# KiCad board Lime_RFE.kicad_pcb (continued)
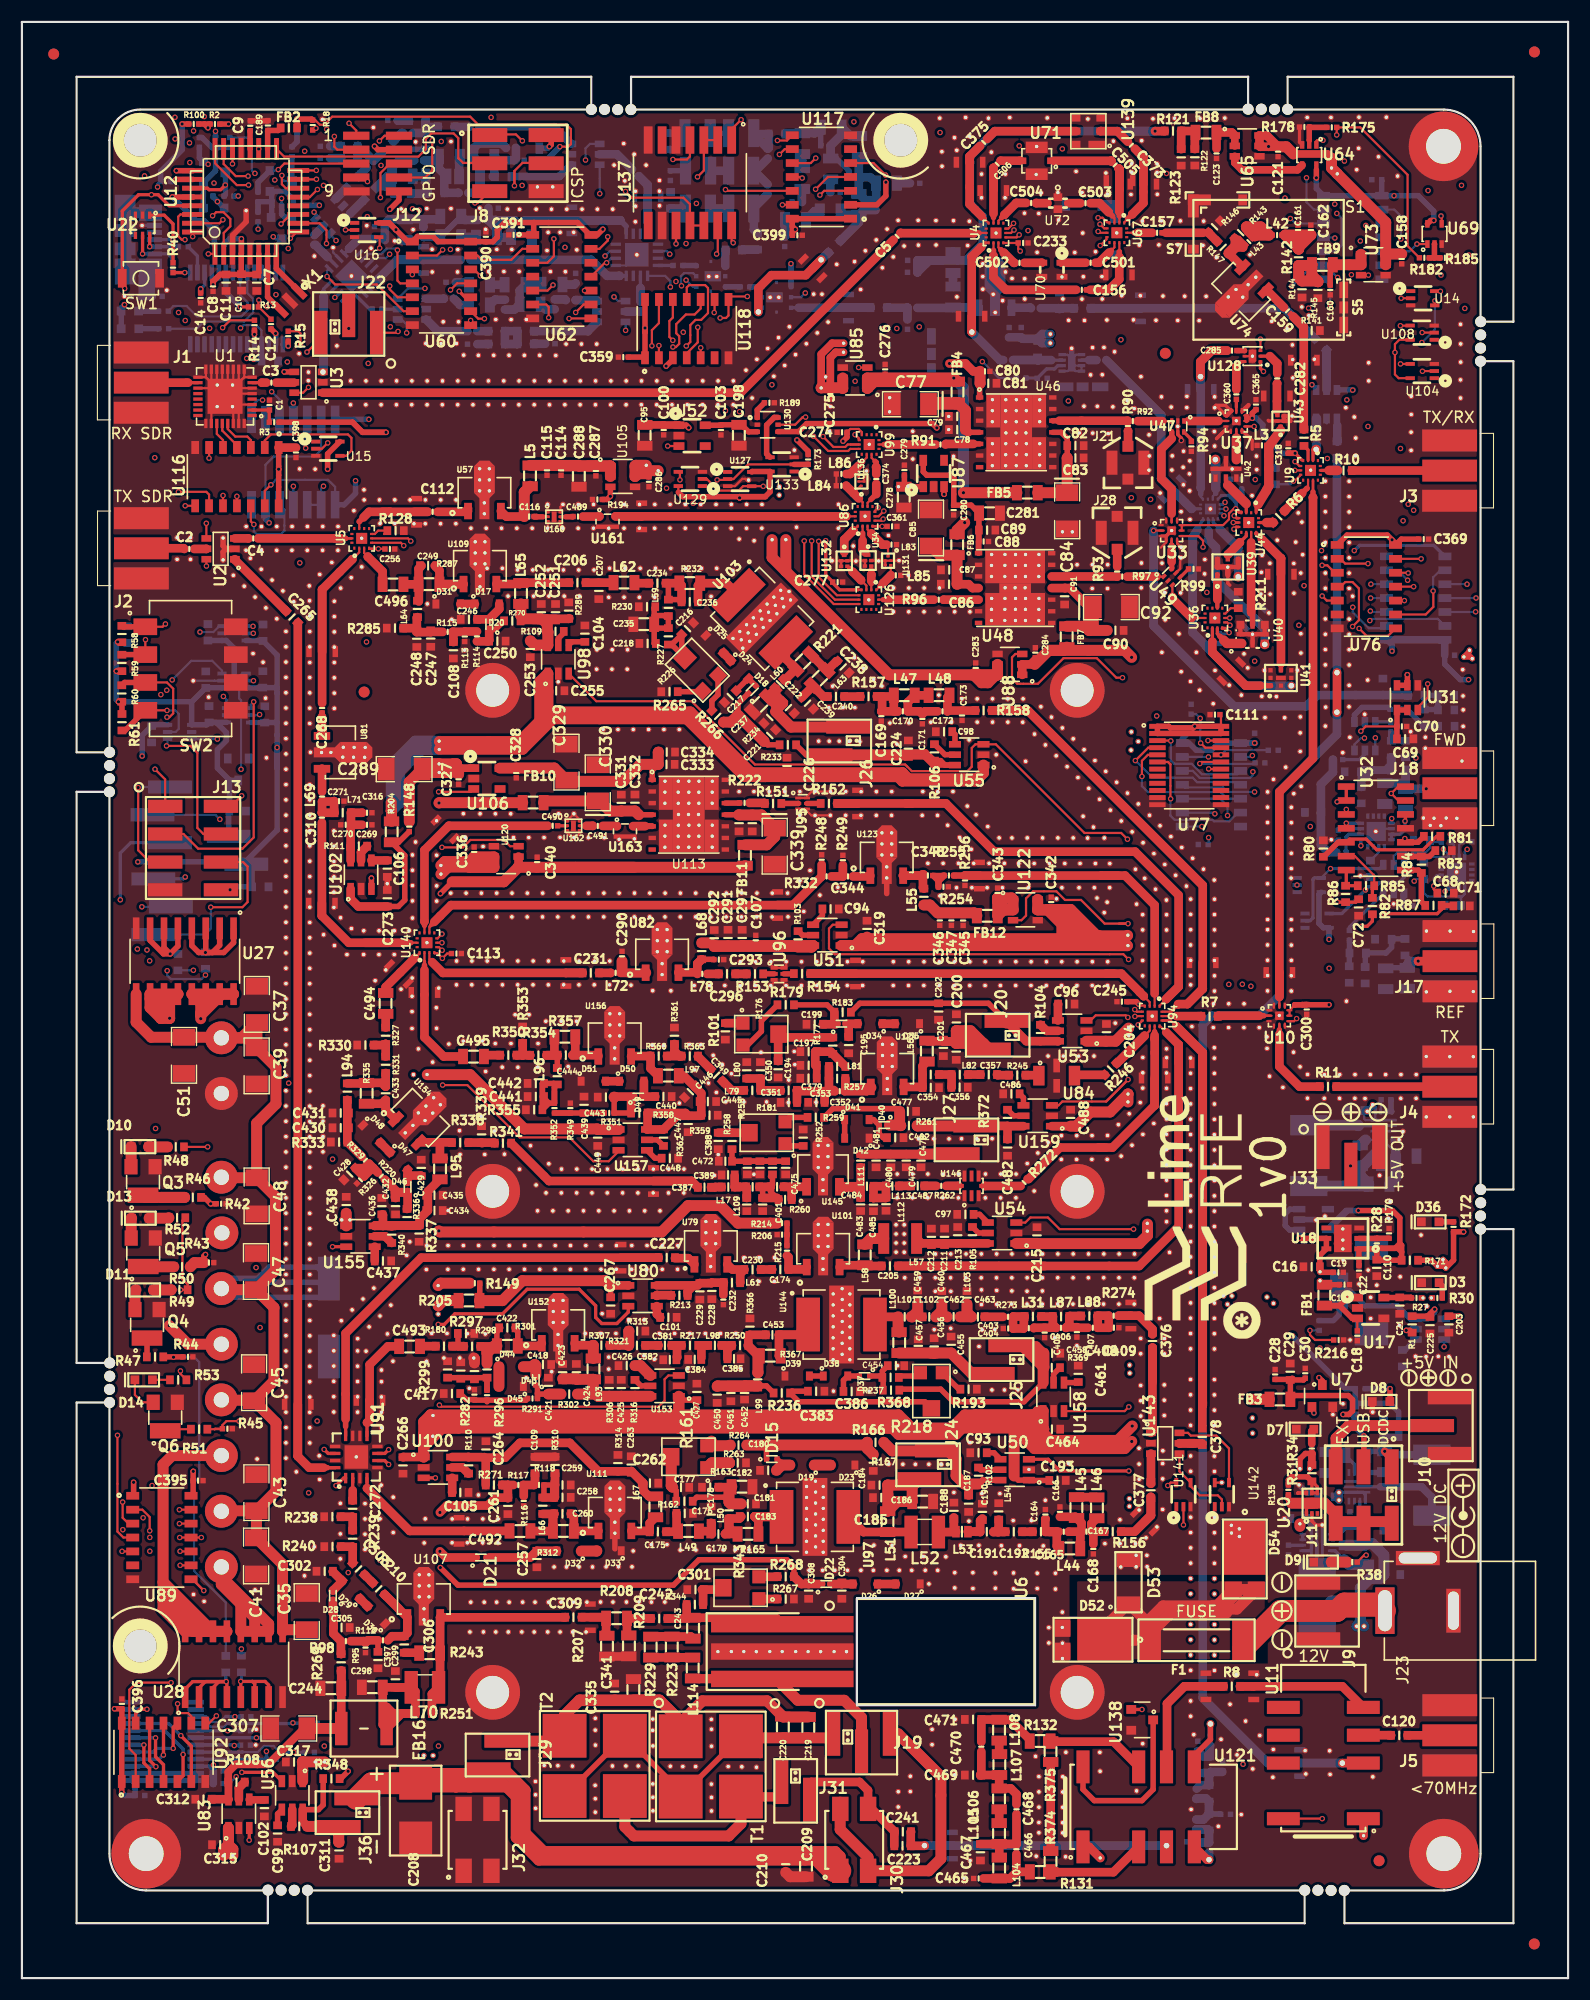
[diagram p0: board, top side]
## Routing (per net, layer and track width the routed paths; a pad name or vN(x,y) marks a point on that pad's centre or on a via; arc(x,y) is an arc through that point) (continued)
/Cell/BAND38_TX: length 1.3
  T w0.2: U37.11 U37.11 ; 110.82,143.03 110.82,143.36
  T w0.3: 110.82,143.36 C360.2
/Cell/BAND38_TXRX: length 3
  T w0.3: 114.53,143.07 114.53,142.64 114.58,142.6 ; 114.58,143.87 114.53,143.92
  T w0.79: C282.1 114.53,145.5 114.53,143.07
/Cell/CELL_PREDRIVER/OUT: length 3.6
  T w0.2: 47.97,133.37 47.99,133.35 46.77,133.35 C116.2 47.97,133.37
  T w0.5: 47.01,133.35 46.99,133.37 C116.2 46.77,133.35 47.54,133.35
/Cell/LNA/IN: length 20.4
  B w0.1: 103.97,136.92 104.94,135.94 P57.2
  B w0.3: 107.54,134.08 106.75,134.08
  B w0.79: 103.97,136.85 103.97,142.64 C73.1 ; 103.97,136.85 104.94,135.87 P57.2 ; 103.97,136.85 106.74,134.08 106.75,134.08
/Cell/LNA_PD_2V5: length 39.9
  T w0.2: U118.10 61.94,152.36 61.39,151.81 60.59,151.81 59.71,150.94 59.71,150.1 59.98,149.83 59.98,149.14 59.69,148.84 v1(59.41,148.84)
  SIG2 w0.2: v1(59.41,148.84) 60.08,148.17 63.28,148.17 63.6,148.49 66.97,148.49 67.58,147.88 69.13,147.88 70.02,148.77 70.88,148.77 71.95,147.7 75.22,147.7 75.4,147.88 85.21,147.88 85.58,147.51 v1(87.64,147.51)
  B w0.2: v1(87.64,147.51) 89.14,146.01 R89.1
/Cell/PA1_CPL: length 9.7
  T w0.2: U47.4 104.92,141.08 104.92,140.48 ; U33.11 U33.11 ; 104.92,133.02 104.92,133.64
  T w0.5: 104.92,140.48 104.93,140.49 U47.4
  T w0.79: 104.93,140.49 103.97,139.54 103.97,136.82 104.92,135.88 104.92,133.64
/Cell/PA1_EN_2V5: length 28.8
  T w0.2: v1(76.35,146.97) 76.36,146.97 U85.3 ; 59.4,147.69 59.4,147.69 U118.3 ; U52.3 v1(58.93,139.81)
  T w0.5: v1(58.79,147.1) 59.4,147.71 U118.3
  SIG1 w0.2: v1(58.79,147.1) 58.75,147.07 58.75,139.98 v1(58.93,139.81)
  SIG2 w0.2: v1(58.79,147.1) 59.27,146.62 65.15,146.62 65.73,146.05 66.64,146.05 67.26,146.66 69.91,146.66 70.22,146.97 v1(76.35,146.97)
/Cell/PA2_CPL: length 3.4
  T w0.2: 104.92,129.24 U49.6 ; U33.5 U33.5 ; 104.92,131.16 104.92,130.76
  T w0.5: 104.92,130.76 104.91,130.76 104.92,130.75 104.92,130.31 ; U49.6 104.92,129.24
  T w0.79: 104.92,129.24 104.92,130.31
/Cell/PA2_EN_2V5: length 106.8
  T w0.2: v1(61.67,150.64) 61.67,149.27 60.67,148.27 U118.4 ; v1(100.43,118.67) 99.87,118.67 98.09,120.45 95.05,120.45 92.72,118.12 90.83,118.12 90.35,118.59 90.35,120.53 90.65,120.83 U88.3
  T w0.5: v1(84.16,135.4) 84.15,135.41 U87.3
  SIG1 w0.2: v1(100.29,149.51) 100.32,149.48 100.32,118.79 v1(100.43,118.67) ; v1(81.89,150.69) 82.62,149.96 82.62,140.72 84.16,139.18 v1(84.16,135.4)
  SIG2 w0.2: v1(100.29,149.51) 95.07,149.51 93.96,150.63 87.54,150.63 87.04,151.13 82.33,151.13 v1(81.89,150.69) 81.45,151.13 77.71,151.13 77.24,151.6 70.3,151.6 70.3,151.6 70.3,151.6 70.29,151.6 68.72,150.03 65.39,150.03 64.78,150.64 v1(61.67,150.64)
/Cell/PA_1_2_3/IN: length 5
  T w0.2: U126.13 78.61,125.79
  T w0.5: 78.61,125.79 79.15,125.79
  T w0.79: R96.2 79.16,125.78 79.15,125.79
/Cell/PA_1_2_3/OUT: length 7.4
  T w0.2: 104.99,125.87 106.74,124.12 107.91,124.12 ; U49.3 104.99,126.05
  T w0.79: 106.74,124.12 104.99,125.87 104.99,126.05
/Cell/PA_1_2_3/VREF: length 16.7
  T w0.2: C88.1 87.3,131.09 87.3,130.24
  T w0.5: 87.36,132.47 87.3,132.4 U48.1 87.3,131.09 87.33,131.12 C89.1 87.33,133.67 ; 87.33,133.67 C281.1 ; 87.33,133.67 C281.1 ; C281.1 87.01,134.02 ; C281.1 86.62,134.41 C280.1 85.04,134.42 85.04,136.95 84.84,137.14 82.57,137.14 82.25,137.47 U87.5
/Cell/PA_7_38/IN: length 5.1
  T w0.2: 78.67,139.95 78.27,139.95
  T w0.5: 78.67,139.95 79.05,139.95
  T w0.79: R91.2 79.05,139.95
/Cell/PA_7_38/OUT: length 4.3
  T w0.2: 109.89,142.1 109.89,142.09 109.19,142.09 ; 106.25,142.09 U47.1 106.48,142.09 ; U37.2 U37.2
  T w0.79: 106.48,142.09 109.19,142.09
/Cell/PA_7_38/VREF: length 26.8
  T w0.5: C81.1 87.39,145.49 U46.1 ; v1(83.49,141.46) 83.1,141.85 71.61,141.85 70.88,141.12 68.98,141.12
  T w0.79: v1(84.64,147.34) 86.1,147.34 86.82,146.62 C80.1
  T w1: C81.1 87.44,145.54 C80.1
  SIG1 w0.79: v1(83.49,141.46) 83.49,146.19 v1(84.64,147.34)
/Cell/PRED_EN_2V5: length 24.9
  T w0.2: v1(61.94,148.78) 61.94,148.78 U118.5 ; v1(53.7,135.22) 53.7,135.23 53.7,135.24
  T w0.5: U105.3 53.7,135.24 53.4,134.93 R194.2
  SIG1 w0.2: v1(61.26,134.58) 61.47,134.79 61.47,146.3 61.94,146.78 v1(61.94,148.78)
  SIG2 w0.2: v1(53.7,135.22) 53.72,135.2 60.64,135.2 v1(61.26,134.58)
/Cell/RX: length 14.9
  T w0.2: 87.53,157.95 87.94,158.35 U4.1
  T w0.3: 87.94,158.35 87.54,157.95 87.53,157.95
  T w0.79: 87.53,157.95 87.53,157.95 86.67,157.09 86.67,157.09 86.67,150.21 ; TRANS_VIA#7.1 86.67,150.23 P56.2
  B w0.79: C76.2 89.24,147.66 TRANS_VIA#7.1
/Cell/SW1_V1_2V5: length 24.5
  T w0.2: v1(126.16,125.7) U76.10
  T w0.25: 111,132.43 110.8,132.43 v1(110.6,132.23)
  SIG1 w0.2: v1(126.16,125.7) 125.86,126 125.86,128.43 126.04,128.61 v1(126.04,132.99)
  SIG2 w0.2: v1(126.04,132.99) 118.62,132.99 117.85,132.23 v1(110.6,132.23)
/Cell/SW1_V2_2V5: length 26.7
  T w0.2: v1(127,126.97) U76.11
  T w0.25: 111,132.83 v1(110.54,132.83)
  SIG1 w0.2: v1(127,133.94) v1(127,126.97)
  SIG2 w0.2: v1(127,133.94) 125.86,133.94 125.45,134.36 112.54,134.36 111.01,132.83 v1(110.54,132.83)
  B w0.2: 110.89,132.84 110.58,132.84
/Cell/SW1_V3_2V5: length 24.3
  T w0.2: v1(126.5,128.22) 126.48,128.24 U76.12
  T w0.25: 111,133.23 110.85,133.23 v1(110.63,133.45)
  SIG1 w0.2: v1(126.5,134.49) v1(126.5,128.22)
  SIG2 w0.2: v1(126.5,134.49) 126.34,134.66 112.28,134.66 111.07,133.45 v1(110.63,133.45)
/Cell/SW2_CTRL_2V5: length 39.8
  T w0.2: 111.75,141.6 v1(112.45,141.6) ; 122.83,129.08 v1(122.84,129.08) 120.76,129.08 120.32,129.51 U76.2 ; U37.7 U37.7
  SIG1 w0.2: v1(123,123.88) 123.59,124.46 123.59,127.89 122.84,128.65 v1(122.84,129.08) v1(122.84,141.59)
  SIG2 w0.2: v1(112.45,141.6) 112.45,141.59 v1(122.84,141.59)
  B w0.2: v1(123,123.88) 123.16,124.04 129.21,124.04 U119.13
/Cell/SW3_V2_2V5: length 18
  T w0.2: 109.82,124.12 v1(110.22,124.12) ; v1(121.43,123.34) 122.01,123.92 122.01,126.81 121.42,127.4 120.76,127.4 120.34,126.97 U76.4
  SIG2 w0.2: v1(121.43,123.34) 117.99,123.34 117.21,124.12 v1(110.22,124.12)
/Cell/SW3_V3_2V5: length 12.6
  T w0.2: v1(110.24,123.46) 109.98,123.72 109.82,123.72 ; v1(118.66,126.12) 119.07,125.7 U76.5
  SIG1 w0.2: v1(118.66,126.12) 117.5,126.12 116.53,125.15 v1(116.53,123.45)
  SIG2 w0.2: v1(116.53,123.45) 116.53,123.46 v1(110.24,123.46)
/Cell/SW4_V1_2V5: length 30.3
  T w0.2: v1(131.87,127.2) 131.87,127.2
  SIG2 w0.2: v1(131.87,127.2) 131.87,131.3 131.43,131.74 110.22,131.74 109.69,132.27 v1(109.69,133.45)
  B w0.2: 109.73,133.46 109.51,133.68 109.44,133.68 ; v1(131.87,127.2) 131.87,127.2 U119.10
/Cell/SW4_V2_2V5: length 37.5
  T w0.2: 109.87,134.08 v1(109.87,134.07) ; v1(132.66,124.68) 132.64,124.66
  SIG2 w0.2: v1(132.66,124.68) 132.11,125.23 132.11,126.2 132.33,126.42 132.33,135.01 131.54,135.8 111.6,135.8 109.87,134.07 v1(109.87,134.07)
  B w0.2: 109.44,134.08 109.91,134.08 ; v1(132.66,124.68) 132.64,124.66 U119.12
/Cell/SW4_V3_2V5: length 36.9
  T w0.2: v1(109.79,134.68) 109.79,134.68
  SIG2 w0.2: v1(132.7,125.94) 132.7,135.13 131.73,136.1 111.21,136.1 v1(109.79,134.68)
  B w0.2: 109.44,134.48 109.59,134.48 v1(109.79,134.68) 109.58,134.47 U35.5 ; v1(132.7,125.94) 132.69,125.93 U119.11
/Cell/SW5_V1_2V5: length 93.5
  T w0.2: v1(78.13,134.18) 77.84,133.89 U86.7 ; v1(57.49,148.95) 57.49,150.38 58.13,151.03 U118.13
  SIG1 w0.2: v1(76.03,145.72) 78.13,143.62 v1(78.13,134.18)
  SIG2 w0.2: v1(121.45,125.1) 121.43,125.11 114.57,125.11 114.28,125.4 96.77,125.4 94.27,127.9 94.27,129.5 92.79,130.98 82.84,130.98 79.45,134.38 78.33,134.38 v1(78.13,134.18) ; v1(57.49,148.95) 57.24,148.7 57.24,145.63 57.65,145.22 67.42,145.22 67.85,144.79 70.03,144.79 71.3,146.06 72.71,146.06 73.26,145.51 75.83,145.51 v1(76.03,145.72)
  B w0.2: 124.31,123.17 U119.2 124.32,123.18 122.91,123.18 121.45,124.64 v1(121.45,125.1)
/Cell/SW5_V2_2V5: length 42.4
  T w0.2: v1(78.65,133.87) 78.17,133.39 U86.6 ; v1(59.4,149.45) 59.08,149.77 59.08,151.22 59.4,151.53 U118.12
  SIG1 w0.2: v1(78.66,150.55) 78.65,150.55 v1(78.65,133.87)
  SIG2 w0.2: v1(78.66,150.55) 73.21,150.55 72.93,150.83 70.93,150.83 69.26,149.16 68.48,149.16 68.19,149.45 65.15,149.45 64.45,150.15 61.76,150.15 61.06,149.45 v1(59.4,149.45)
/Cell/SW5_V3_2V5: length 49.7
  T w0.2: v1(78.6,133.15) 78.44,132.99 U86.5 ; v1(60.63,148.94) 60.99,149.3 60.99,150.85 61.47,151.32 61.98,151.32 62.61,151.94 62.61,154.23 62.34,154.49 60.88,154.49 60.67,154.28 U118.11
  SIG1 w0.2: v1(79.83,150.54) 79.83,142.84 79.14,142.14 79.14,133.69 v1(78.6,133.15)
  SIG2 w0.2: v1(60.63,148.94) 61.18,148.94 62.01,149.77 64.25,149.77 65.08,148.94 67.11,148.94 67.82,148.23 68.87,148.23 70.29,149.65 72.12,149.65 72.34,149.44 72.8,149.44 73.36,150 79.3,150 v1(79.83,150.54)
/Cell/SW6_V1_2V5: length 83.7
  T w0.2: v1(71.39,131.15) 71.39,128.08 74.08,125.39 U126.7 ; v1(72.24,140.69) 73.57,139.36 75.4,139.36 75.59,139.55 76.36,139.55
  SIG1 w0.2: v1(72.24,140.69) 71.39,139.84 v1(71.39,131.15)
  SIG2 w0.2: v1(123.1,127.2) 122.65,127.2 122.21,127.65 112.1,127.65 111.5,127.05 104.15,127.05 103.28,127.92 95.97,127.92 95.31,128.57 95.31,129.6 93.14,131.77 83.23,131.77 79.92,135.09 75.96,135.09 74.49,133.62 72.54,133.62 71.39,132.46 v1(71.39,131.15)
  B w0.2: U119.5 v1(123.1,127.2)
/Cell/SW6_V2_2V5: length 82.5
  T w0.2: v1(72.07,131.15) 72.07,127.91 74.19,125.79 U126.6 ; 75.64,139.95 75.64,139.95 76.36,139.95 75.36,139.95 75.13,139.72 74.05,139.72 v1(73.1,140.67)
  SIG1 w0.2: v1(73.1,140.67) 72.07,139.64 v1(72.07,131.15)
  SIG2 w0.2: v1(123.08,125.93) 122.75,125.6 114.73,125.6 114.62,125.72 96.94,125.72 94.83,127.83 94.83,129.51 93,131.33 93,131.37 83.05,131.37 79.7,134.72 76.17,134.72 74.61,133.15 72.68,133.15 72.07,132.55 v1(72.07,131.15)
  B w0.2: U119.4 v1(123.08,125.93)
/Cell/SW6_V3_2V5: length 76.7
  T w0.2: v1(72.71,131.11) 72.71,127.85 74.37,126.19 U126.5 ; v1(76.03,140.85) 76.36,140.51 76.36,140.35 ; v1(123.05,124.75) 123.05,124.75
  SIG1 w0.2: v1(76.03,140.85) 74.64,140.85 72.71,138.92 v1(72.71,131.11)
  SIG2 w0.2: v1(123.05,124.75) 122.91,124.61 117.85,124.61 117.71,124.75 114.28,124.75 114,125.03 96.49,125.03 96.13,125.4 79.84,125.4 78.65,126.59 74.02,126.59 72.71,127.9 v1(72.71,131.11)
  B w0.2: v1(123.05,124.75) 123.14,124.66 U119.3
/Cell/SW_CPL_CTRL_2V5: length 16.2
  T w0.2: v1(118.65,128.93) 119.13,128.93 119.81,128.24 U76.3 ; v1(107.78,130.58) 107.78,131.17 107.36,131.59 105.85,131.59 ; U33.7 U33.7
  SIG2 w0.2: v1(118.65,128.93) 116.91,128.93 115.25,130.58 v1(107.78,130.58)
/Cell/TDD_SW_V1: length 65.4
  T w0.2: U129.2 62.5,136.8 63.57,135.74 65.4,135.74 65.81,136.14 U127.4 67.64,136.14 v1(67.65,136.13)
  T w0.3: v1(113.3,146.61) 113.02,146.89 U128.1
  SIG1 w0.2: v1(67.65,136.13) 68.44,136.92 v1(68.44,145.4)
  SIG2 w0.2: v1(68.44,145.4) 69.54,145.4 v1(68.44,145.4) ; v1(68.44,145.4) 69.65,145.4 70.82,146.57 73.73,146.57 74.05,146.25 76.3,146.25 77.05,145.5 85.34,145.5 86.16,146.32 89.79,146.32 90.28,146.81 108.76,146.81 108.95,146.61 v1(113.3,146.61)
/Cell/TDD_SW_V2: length 71.9
  T w0.2: v1(60.05,136.72) 60.05,137.31 U129.4 ; U128.3 v1(113.02,149.56)
  SIG1 w0.2: v1(60.05,136.72) 60.06,136.73 60.06,149.91 v1(60.35,150.2)
  SIG2 w0.2: 61.37,151.21 v1(60.35,150.2) 61.37,151.21 ; 61.37,151.21 62.13,151.21 62.13,151.19 62.35,150.97 65.05,150.97 65.61,150.41 68.52,150.41 70.06,151.95 77.59,151.95 78.04,151.5 87.4,151.5 87.95,150.95 94.28,150.95 95.19,150.03 112.55,150.03 v1(113.02,149.56)
  B w0.2: v1(113.02,149.56) 113.02,149.56
/Cell/TX: length 10.3
  T w0.2: 30.78,132.91 30.78,132.34
  T w0.5: 30.78,132.91 30.79,132.91 31.17,133.29 ; 31.68,133.81 32.88,133.81
  T w0.79: 33.6,133.81 32.88,133.81 ; 33.6,133.81 31.68,133.81 31.17,133.29 ; 33.6,133.81 C112.1 35.81,133.81
/Cell/TXRX: length 1.3
  T w0.3: 112.91,132.83 113.59,132.83
  T w0.86: 113.59,132.83 R6.2
/Cell/VIA_U35_U39: length 6.2
  T w0.86: 110.99,127.9 TRANS_VIA#2.1
  B w0.3: 109.31,132.2 109.31,132.23 108.71,132.82 108.71,133.08
  B w0.79: 109.31,132.2 110.99,130.51 TRANS_VIA#2.1
/Cell/VIA_U35_U40: length 14.9
  T w0.86: 113.41,121.72 113.41,121.7
  B w0.3: 108.3,132.05 108.3,133.04 108.26,133.08
  B w0.79: 108.3,132.05 108.3,131.22 108.96,130.55 108.96,127.59 113.41,123.14 ; 113.41,123.14 112.41,124.14 ; 113.41,123.14 TRANS_VIA.1
/Cell/VIA_U35_U41: length 26.6
  B w0.3: 107.27,132.17 107.69,132.95 107.81,133.08
  B w0.79: 107.27,132.17 106.83,131.45 106.83,122.8 108.11,121.51 ; 111.67,117.96 108.11,121.51 ; 108.11,121.51 111.68,117.94 TRANS_VIA#6.1
/Cell/VIA_U35_U42: length 4.1
  T w0.86: 108.91,138.59 108.91,138.57
  B w0.2: 108.68,138.34 TRANS_VIA#3.1 ; 108.95,135.5 108.68,135.23 U35.3 ; 108.95,135.83 108.95,135.94
  B w0.5: 108.95,135.83 108.95,135.5
  B w0.86: 108.95,138.59 108.95,135.94
/Cell/VIA_U42_U44: length 3.9
  T w0.3: U42.6 109.87,136.41 110.03,136.25 ; 111.73,134.55 111.73,133.78
  T w0.86: 110.03,136.25 111.73,134.55
/CPL: length 36.3
  T w0.2: v1(103.27,132.09) 103.27,132.09 103.99,132.09 ; U33.2 U33.2
  B w0.79: R68.1 126.47,117.08 R65.1 118.21,117.08 117.18,116.05 110.63,116.05 103.27,123.41 v1(103.27,132.09)
/DATA1: length 11.3
  T w0.2: U15.4 29.59,138.91 30.07,139.39 30.07,140.55 29.75,140.87 22.72,140.87 22.16,140.31 U116.2
/DATA2: length 43
  T w0.2: v1(69.4,161.82) 69.41,161.82 U117.13 ; v1(38.4,157.71) 37.88,157.19 U60.2
  SIG1 w0.2: v1(36.25,161.34) 36.25,160.46 38.4,158.32 v1(38.4,157.71)
  SIG2 w0.2: v1(69.4,161.82) 68.74,162.48 61.32,162.48 60,161.16 54.8,161.16 54.08,160.44 37.15,160.44 v1(36.25,161.34)
/DATA3: length 83.5
  T w0.2: v1(53.46,158.9) 53.46,158.56 52.71,157.8 U62.13
  SIG2 w0.2: v1(125.84,158.7) 125.14,158 119.36,158 116.11,161.25 100.47,161.25 98.98,159.77 98.98,159.41 97.64,158.07 88.45,158.07 87.69,158.84 78.82,158.84 78.25,159.4 77.38,159.4 75.79,157.81 66.93,157.81 65.82,158.92 53.47,158.92 v1(53.46,158.9)
  B w0.2: v1(125.84,158.7) 125.84,160.78 125.24,161.38 U68.2
/DATA4: length 108.6
  T w0.2: v1(58.13,148.98) 58.13,148.97 U118.2
  SIG1 w0.2: v1(58.82,135.96) 58.82,137.93 57.29,139.46 57.29,146.12 58.13,146.95 v1(58.13,148.98) ; v1(103,134.94) 103,136.4 102.2,137.2 102.2,142.62 103,143.42 103,163.24 103.55,163.78 104.02,163.78 104.45,164.21 v1(104.45,164.68)
  SIG2 w0.2: v1(103,134.94) 101.69,136.25 86.34,136.25 85.94,136.65 67.1,136.65 66.41,135.96 v1(58.82,135.96) ; v1(104.45,164.68) 106.1,164.68 106.49,164.29 v1(117.22,164.29)
  B w0.2: v1(117.22,164.29) 117.22,162.07 117.91,161.38 U68.13
/DATA5: length 36.9
  T w0.2: v1(127.69,129.51) U76.13
  SIG1 w0.2: v1(127.21,111.34) 127.21,113.3 127.69,113.78 v1(127.69,129.51)
  SIG2 w0.2: v1(112.29,111.56) 112.51,111.34 v1(127.21,111.34)
  B w0.2: v1(112.29,111.56) 112.16,111.43 U75.2
/DATA_CLK: length 396.7
  T w0.2: v1(17.75,23.93) 17.08,23.26 U92.8 ; 15.56,36.39 v1(16.59,35.36) 15.56,36.39 ; 15.56,36.39 U89.8 ; v1(40.95,151.27) 40.95,151.26 U60.8 ; v1(14.9,134.36) 14.9,134.35 U116.8 ; 125.34,123.16 U76.8 124.67,122.49 122.7,122.49 v1(122.03,123.16) ; v1(68.94,167.69) 69.82,167.69 U117.8 ; v1(66.2,153.46) 64.75,153.46 U118.8 64.48,151.72 64.25,151.5 v1(63.72,151.5) ; v1(83.79,168.42) 83.79,168.42 ; v1(49.93,151.44) 49.95,151.45 U62.8 ; U16.4 32.65,158.79 v1(32.65,157.87)
  SIG1 w0.2: 15.37,45.72 15.27,45.82 ; 15.37,45.72 15.1,45.99 15.1,46.73 15.44,47.07 15.44,66.79 14.61,67.61 14.61,99.37 14.96,99.72 ; 15.37,45.72 15.37,36.59 v1(16.59,35.36) 16.59,35.33 17.75,34.17 v1(17.75,23.93) ; 14.96,99.72 15.28,100.03 15.28,100.16 ; 14.96,99.72 15.49,100.24 15.49,100.95 14.9,101.54 14.9,127.41 15.9,128.41 15.9,133.36 v1(14.9,134.36) 14.9,151.26 v1(14.91,151.26) ; v1(117.57,105.08) 118.34,105.85 118.34,120.07 118.87,120.6 119.38,120.6 120.63,121.85 121.59,121.85 122.03,122.29 v1(122.03,123.16) 122.03,128.09 121.77,128.35 121.77,130.09 v1(121.59,130.27) ; v1(118.6,130.27) 118.35,130.51 118.35,138.69 119.24,139.58 119.24,146.42 119.39,146.57 v1(119.39,152.68) ; v1(33.62,150.69) 32.65,151.67 v1(32.65,157.87) ; v1(131.37,163.6) 131.38,163.59 131.38,155.19 131.67,154.9 v1(131.67,152.37) ; v1(75.92,169.4) 75.53,169.79 69.59,169.79 68.94,169.14 v1(68.94,167.69) 68.62,167.37 68.62,154.74 67.34,153.46 v1(66.2,153.46)
  SIG2 w0.2: v1(131.67,152.37) 131.6,152.3 128.67,152.3 128.29,152.68 v1(119.39,152.68) ; 59.59,151.34 59.84,151.59 ; 59.59,151.34 59.89,151.63 62.53,151.63 62.67,151.5 v1(63.72,151.5) ; 59.59,151.34 50.04,151.34 v1(49.93,151.44) 49.29,150.8 41.41,150.8 v1(40.95,151.27) 40.52,151.69 34.62,151.69 v1(33.62,150.69) 33.05,151.26 v1(14.91,151.26) ; v1(107.68,105.08) 107.98,104.79 117.28,104.79 v1(117.57,105.08) ; v1(121.59,130.27) v1(118.6,130.27) ; v1(83.79,168.42) 84.55,169.18 122.56,169.18 127.9,163.85 128.48,163.85 128.73,163.6 v1(131.37,163.6)
  PWR w0.2: v1(75.92,169.4) 75.92,168.09 79.1,164.92 81.59,164.92 83.3,166.63 83.3,167.93 v1(83.79,168.42)
  B w0.2: v1(107.68,105.08) 107.68,105.08 U75.8 ; v1(119.39,152.68) 119.39,154.42 U68.8
  B w0.3: U119.8 128.85,130.74 122.06,130.74 v1(121.59,130.27)
  B w0.5: 107.68,105.08 v1(107.68,105.08)
/DATA_RESET: length 441.3
  T w0.2: 14.44,37.66 v1(14.44,37.67) ; 14.44,37.66 v1(14.44,37.67) ; 14.44,37.66 v1(14.44,37.67) ; 14.44,37.66 v1(14.44,37.67) ; 14.44,37.66 U89.9 ; v1(63.18,151.99) 63.21,152.02 U118.9 ; v1(14.21,25.03) 14.21,24.25 14.14,24.18 15.17,24.18 15.46,23.89 U92.9 ; v1(50.53,152) 51.26,152.72 U62.9 ; v1(14.28,135.63) 16.83,135.63 17.08,135.37 U116.9 ; v1(69.13,166.42) 69.61,166.9 U117.9 ; 128.8,126.58 128.8,125.13 128.1,124.43 U76.9 ; 128.8,126.58 v1(128.78,126.58) ; 128.8,126.58 v1(128.78,126.58) ; 128.8,126.58 v1(128.78,126.58) ; v1(117,127.07) 117.01,127.07 ; v1(128.94,153.06) 128.94,152.66 U14.4 ; v1(127.75,149.26) 127.75,149.26 ; v1(42.21,151.43) 41.63,151.43 U60.9
  SIG1 w0.2: 14.21,37.43 v1(14.44,37.67) ; 14.21,37.43 v1(14.44,37.67) ; 14.21,37.43 v1(14.21,25.03) ; v1(14.44,37.67) 14.97,38.2 14.97,45.09 14.62,45.44 14.62,46.93 14.97,47.27 14.97,66.46 14.26,67.17 14.26,100.07 14.3,100.03 14.3,128.03 14.79,128.51 14.79,133.43 14.3,133.92 14.3,136.69 ; 14.3,136.69 14.3,151.99 v1(14.29,151.99) 14.29,162.99 13.56,163.72 13.56,165.21 15.29,166.94 v1(15.29,167.48) ; 14.3,136.69 14.3,135.64 v1(14.28,135.63) ; 108.13,125.03 108.13,114.31 107.07,113.25 107.07,111.97 108.19,110.85 108.52,110.85 108.86,110.51 v1(108.86,106.25) ; 108.13,125.03 v1(108.13,126.45) 108.13,125.03 ; v1(117,127.07) 117.38,127.44 119.18,127.44 119.62,127.88 119.62,146.05 120.06,146.49 v1(120.06,155.19)
  SIG2 w0.2: v1(108.13,126.45) 111.56,126.45 112.17,127.07 v1(117,127.07) 117.21,127.28 122.03,127.28 122.86,126.46 127.8,126.46 127.92,126.58 v1(128.78,126.58) ; v1(128.94,153.06) 127.73,154.27 120.98,154.27 v1(120.06,155.19) ; 95.39,150.66 94.67,151.38 88.45,151.38 87.96,151.87 84.03,151.87 83.51,152.39 69.91,152.39 68.45,150.93 65.77,150.93 64.71,151.99 v1(63.18,151.99) 63.17,151.99 50.82,151.99 50.82,152 v1(50.53,152) 42.78,152 v1(42.21,151.43) 41.64,151.99 v1(14.29,151.99) ; 95.39,150.66 95.64,150.41 96.79,150.41 ; 95.39,150.66 95.64,150.4 113.33,150.4 115.27,148.47 118.34,148.47 119.13,149.26 v1(127.75,149.26) ; v1(15.29,167.48) 15.78,166.99 20.89,166.99 21.37,167.48 22.1,167.48 23.43,166.15 26.08,166.15 26.72,166.79 28.59,166.79 29.23,166.15 31.48,166.15 31.69,165.94 33.39,165.94 33.6,166.15 47.01,166.15 47.25,166.4 52.4,166.4 53.91,164.88 57.42,164.88 58.95,166.42 61.38,166.42 61.98,165.82 65.93,165.82 66.53,166.42 v1(69.13,166.42)
  B w0.2: v1(120.06,155.19) 118.95,156.3 U68.9 117.78,156.3 v1(115.87,154.39) ; v1(108.86,106.25) 108.76,106.35 U75.9 ; U119.9 129.43,128.47 128.78,127.82 v1(128.78,126.58) ; v1(128.94,153.06) 128.94,150.44 v1(127.75,149.26)
/FAN/FAN_POWER_5V: length 12.8
  T w0.5: v1(128.92,61.04) 128.49,60.61 C225.1 128.42,60.4 R1.2
  B w0.5: v1(128.92,61.04) 128.92,60.76 128.33,60.17 U110.6 126.68,60.17 125.51,61.34 122.57,61.34 121.21,62.7 P1.2
/FAN_EN: length 75.4
  SIG1 w0.2: v1(129.78,57.61) 129.78,61.98 128.71,63.04 128.71,65.61 129.15,66.04 129.15,97.94 127.75,99.34 127.75,104.88 126.02,106.6 126.02,114.4 126.96,115.34 126.96,125.88 126.45,126.39 v1(126.45,127.56)
  B w0.2: v1(126.45,127.56) 125.54,128.47 U119.6 ; U110.3 129.78,58.26 v1(129.78,57.61)
/FAN_SENSE: length 239.2
  T w0.2: 117.55,59.11 v1(117.54,59.11) 117.54,58.69 118.01,58.23 R216.2 ; v1(17.4,160.82) 17.73,161.15 18.4,161.15 19.02,160.53 19.02,159.86 18.42,159.26 U12.2
  SIG1 w0.2: 123.56,153.29 123.56,153.28 123.56,150.94 ; 123.56,150.94 123.56,128.77 123.89,128.44 123.89,121.62 123.56,121.29 123.56,115.87 124.68,114.76 124.68,111.66 123.56,110.54 123.56,105.96 124.21,105.31 124.21,103.91 123.56,103.25 123.56,88.62 120.99,86.06 120.99,79.69 117.54,76.24 117.54,68.71 118.35,67.9 118.35,66.34 117.54,65.52 v1(117.54,59.11) ; 123.56,150.94 123.56,159.02 v1(122.64,159.94) ; v1(17.4,160.82) 16.74,160.82 15.32,162.25 v1(15.32,165.68)
  SIG2 w0.2: v1(122.64,159.94) 122.64,162.87 122.22,163.29 105.87,163.29 105.48,163.68 97.67,163.68 97.43,163.92 93.13,163.92 92.5,163.29 86.92,163.29 86.02,162.39 75.23,162.39 72.2,165.42 60.76,165.42 58.88,163.54 53.95,163.54 52.07,165.42 40.72,165.42 40.17,164.87 32.45,164.87 32.03,165.29 30.91,165.29 30.25,164.64 28.58,164.64 27.92,165.29 27.84,165.29 27.3,165.83 22.93,165.83 22.65,166.11 15.75,166.11 v1(15.32,165.68)
  B w0.2: v1(117.54,59.11) 117.55,59.1 R235.2
/GAMMA_DB: length 115.1
  T w0.3: C72.1 121.72,98.18 R86.1 120.03,98.18 v1(120.02,98.19)
  SIG2 w0.2: 38.47,97.67 30.84,97.67 28.78,99.74 23.73,99.74 22.98,100.48 v1(14.9,100.48)
  SIG2 w0.3: 38.47,97.67 39.27,98.47 70.41,98.47 72.62,100.69 77.02,100.69 77.98,99.72 80.23,99.72 81.62,101.11 100.68,101.11 103.09,98.69 103.75,98.69 104.1,99.05 109.53,99.05 110.39,98.19 v1(120.02,98.19)
  B w0.3: v1(14.9,100.48) 14.72,100.3 J7.1
/GPIO4: length 10.5
  T w0.2: v1(23.4,165.03) 23.95,165.58 J12.5
  B w0.2: v1(23.4,165.03) 23.31,164.95 Q8.S
  B w0.5: Q8.S 21.55,163.86 R188.1
/GPIO5: length 32.8
  T w0.2: v1(32.72,162.48) 32.72,164.72 33.58,165.58 J12.6 ; v1(34.32,150.26) 34.21,150.14 J22.1
  SIG1 w0.2: v1(32.72,162.48) 34.81,162.48 35.13,162.16 35.13,154.01 34.32,153.2 v1(34.32,150.26)
  SIG2 w0.2: v1(32.72,162.48) 27.63,162.48 27.39,162.72 26.06,162.72 25.74,162.4 v1(23.7,162.4)
  B w0.2: v1(23.7,162.4) 23.7,162.4 R187.1
  B w0.5: Q7.S 23.99,160.68 23.7,160.97 R187.1
/GPIO_ADC1: length 11.5
  T w0.2: v1(10.61,108.64) 10.61,102.92 11.69,101.84 J13.3
  B w0.2: v1(10.61,108.64) 10.66,108.69 J6.3
/GPIO_ADC2: length 16.8
  T w0.2: v1(17.23,97.72) 20.12,97.72 20.59,98.19 20.59,101.44 20.19,101.84 J13.6
  B w0.2: v1(17.23,97.72) 17.23,95.77 16.69,95.22 J7.3
/GPIO_Subsystem/DIR_GPIO0: length 19.2
  T w0.2: v1(13.09,123.57) 12.84,123.31 SW2.1
  T w0.5: R58.1 9.21,123.31 SW2.1
  SIG1 w0.2: v1(13.09,123.57) 13.22,123.45 v1(13.22,117.52)
  SIG2 w0.2: v1(21.13,118.39) 19.09,118.39 18.22,117.52 v1(13.22,117.52)
  B w0.2: v1(21.13,118.39) U23.5
/GPIO_Subsystem/DIR_GPIO1: length 14.3
  T w0.2: v1(11.28,122.14) 11.26,122.12 SW2.2
  T w0.5: R59.1 9.13,120.77 SW2.2
  SIG2 w0.2: v1(11.28,122.14) 11.4,122.27 16.78,122.27 17.23,122.72 v1(21.12,122.72)
  B w0.2: v1(21.12,122.72) 21.11,122.71 U24.5
/GPIO_Subsystem/DIR_GPIO2: length 17.7
  T w0.2: 11.59,118.23 SW2.3 13.24,118.23 13.8,117.67 13.8,115.41 13.46,115.06 v1(13.24,115.06)
  T w0.5: R60.1 9.37,118.23 SW2.3
  SIG2 w0.2: v1(13.24,115.06) 14.37,115.06 14.61,115.31 v1(21.69,115.31)
  B w0.2: v1(21.69,115.31) 21.66,115.31 21.6,115.24 U25.5
/GPIO_Subsystem/DIR_GPIO3: length 8.6
  T w0.2: v1(13.24,115.68) 13.23,115.69 SW2.4
  T w0.5: SW2.4 9.42,113.85 R61.1
  B w0.2: v1(13.24,115.68) 13.99,115.68 14.31,115.36 14.31,114 14.03,113.72 U26.5
/GPIO_Subsystem/GPIO0: length 134.8
  T w0.2: v1(16.75,91.54) 16.75,91.54 16.72,91.54 ; v1(29.85,169.26) 30.51,168.6 J12.1
  T w0.5: R46.2 16.64,71.24 v1(17.22,70.66) R42.2
  SIG1 w0.2: v1(13.26,91.93) 13.03,92.16 13.03,94.31 13.71,94.99 v1(13.71,118.47) 13.71,128.53 13.45,128.79 13.45,132.72 13.71,132.98 13.71,157.63 13.26,158.08 13.26,165.5 14.58,166.82 14.58,168.34 13.96,168.97 v1(13.96,169.81) ; v1(17.22,70.66) 18.63,70.66 20.3,72.33 20.3,87.5 16.75,91.05 v1(16.75,91.54)
  SIG2 w0.2: v1(29.85,169.26) 29.84,169.27 27.72,169.27 27.59,169.14 27.26,169.14 27.12,169.27 26.15,169.27 25.5,168.62 24.7,168.62 24.25,169.06 19.85,169.06 19.35,168.56 18.62,168.56 17.82,169.36 15.76,169.36 15.31,169.81 v1(13.96,169.81)
  B w0.2: v1(13.71,118.47) 15.46,120.21 17.37,120.21 18.26,119.31 U23.3 ; R54.2 v1(16.75,91.54) 16.39,91.18 13.58,91.18 13.26,91.5 v1(13.26,91.93)
/GPIO_Subsystem/GPIO0_LS: length 20.9
  T w0.2: v1(12.14,110.32) 13.07,109.39 J13.1
  SIG2 w0.2: v1(20,110.31) 19.99,110.32 v1(12.14,110.32)
  B w0.2: U23.4 20.08,119.04 19.82,118.78 19.82,116.78 20,116.6 v1(20,110.31)
/GPIO_Subsystem/GPIO1: length 134.1
  T w0.2: v1(32.62,167.65) 33.1,168.12 J12.2
  T w0.5: v1(16.75,66.03) 16.61,65.89 R43.2
  T w1: R50.2 15.75,65.29 R43.2
  SIG1 w0.2: 16.25,123.62 16.25,126.9 17.45,128.1 17.45,133.99 16.25,135.19 16.25,152.98 16.98,153.72 16.98,154.86 16.07,155.77 16.07,160.82 14.74,162.15 14.74,165.81 16.22,167.29 16.22,168.06 15.71,168.56 v1(15.66,168.56) ; 16.25,123.62 16.25,120.92 16.9,120.27 16.9,117.91 16.25,117.25 16.25,99.91 15.25,98.91 15.25,92.36 v1(15.65,91.97) 15.25,91.57 15.25,68.23 16.75,66.73 v1(16.75,66.03) ; 16.25,123.62 v1(16.25,122.83)
  SIG2 w0.2: v1(32.62,167.65) 29.82,167.65 28.93,168.54 28.31,168.54 27.97,168.21 20.9,168.21 20.56,167.87 16.36,167.87 v1(15.66,168.56)
  B w0.2: v1(15.65,91.97) 15.65,91.97 R55.2 ; v1(16.25,122.83) 17.47,122.83 18,123.36 U24.3
